# Altium PCB Bluetooth_Sentinel.PcbDoc
Units mm, origin at the board's own origin, x right, y up, seen from the top; angles counter-clockwise.
Board outline 80 x 55 mm, 4 copper layers (Top Layer, Mid-Layer 1, Mid-Layer 2, Bottom Layer), stack 0.796 mm thick; 73 components, 57 nets, 225 pads, 173 vias.
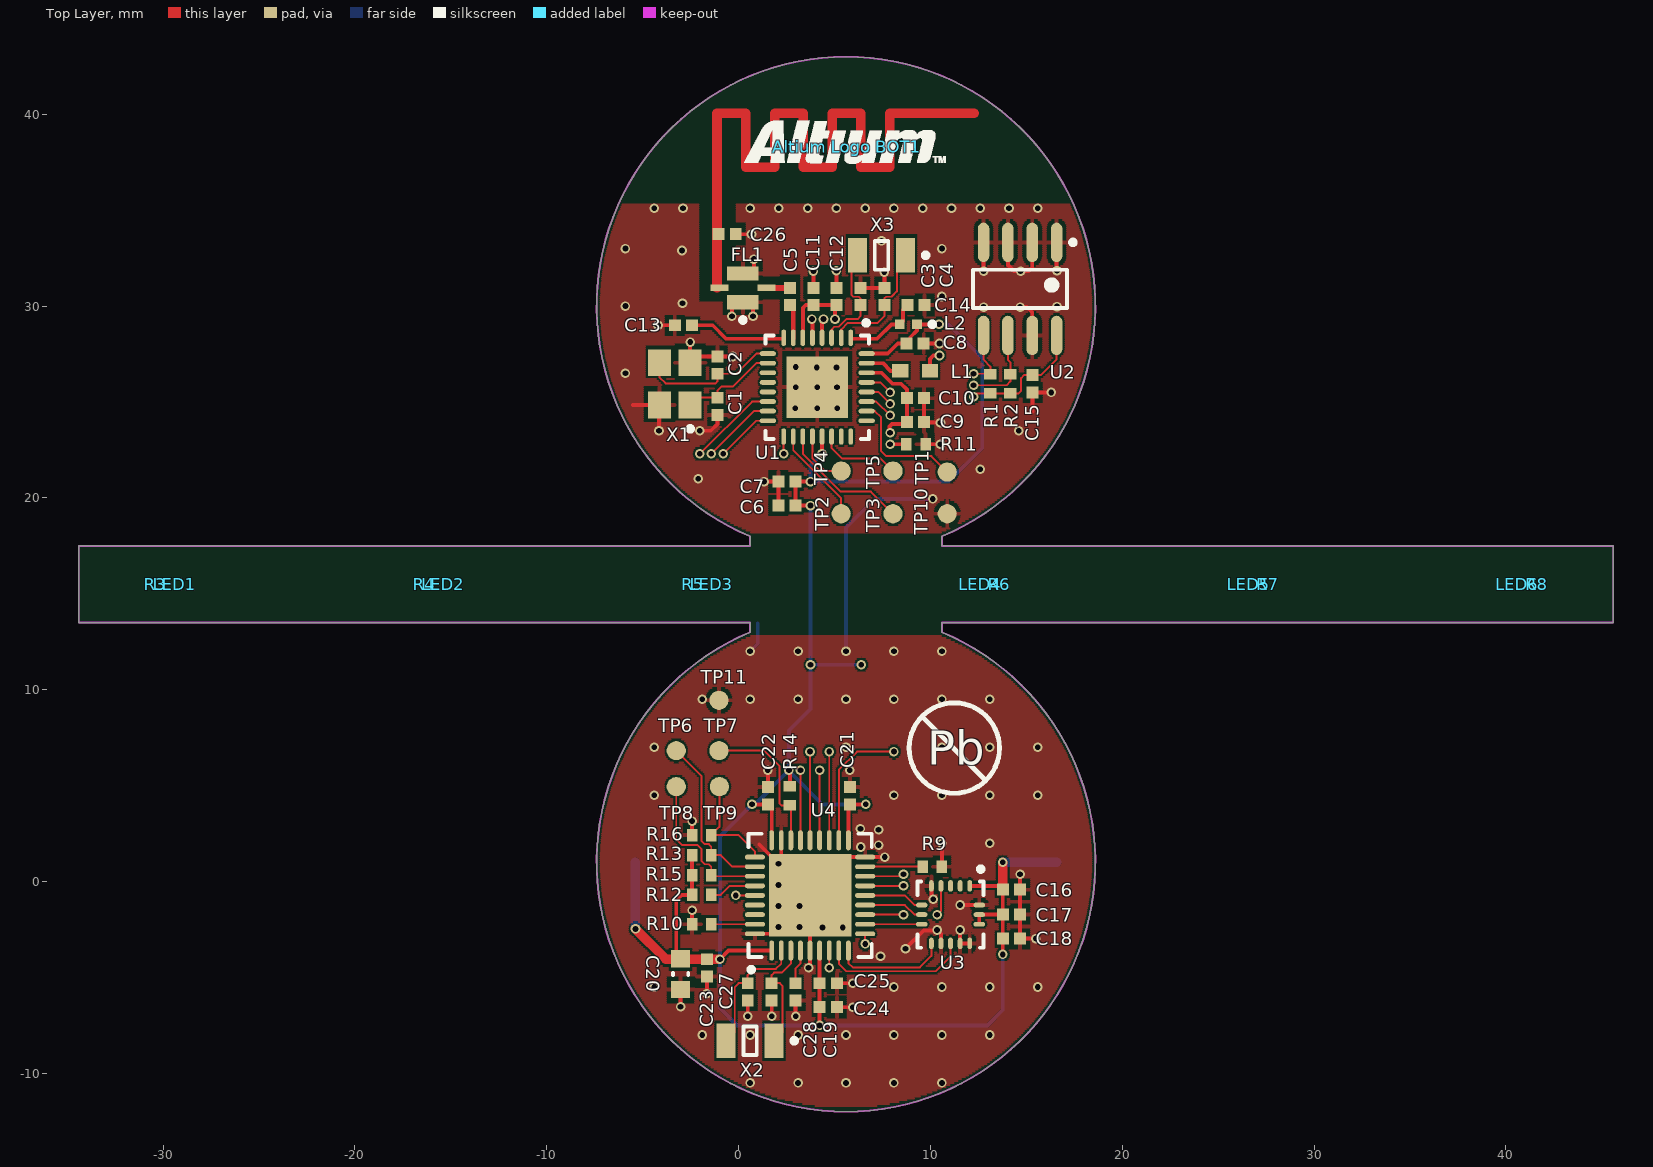
[diagram p0: Top Layer view]
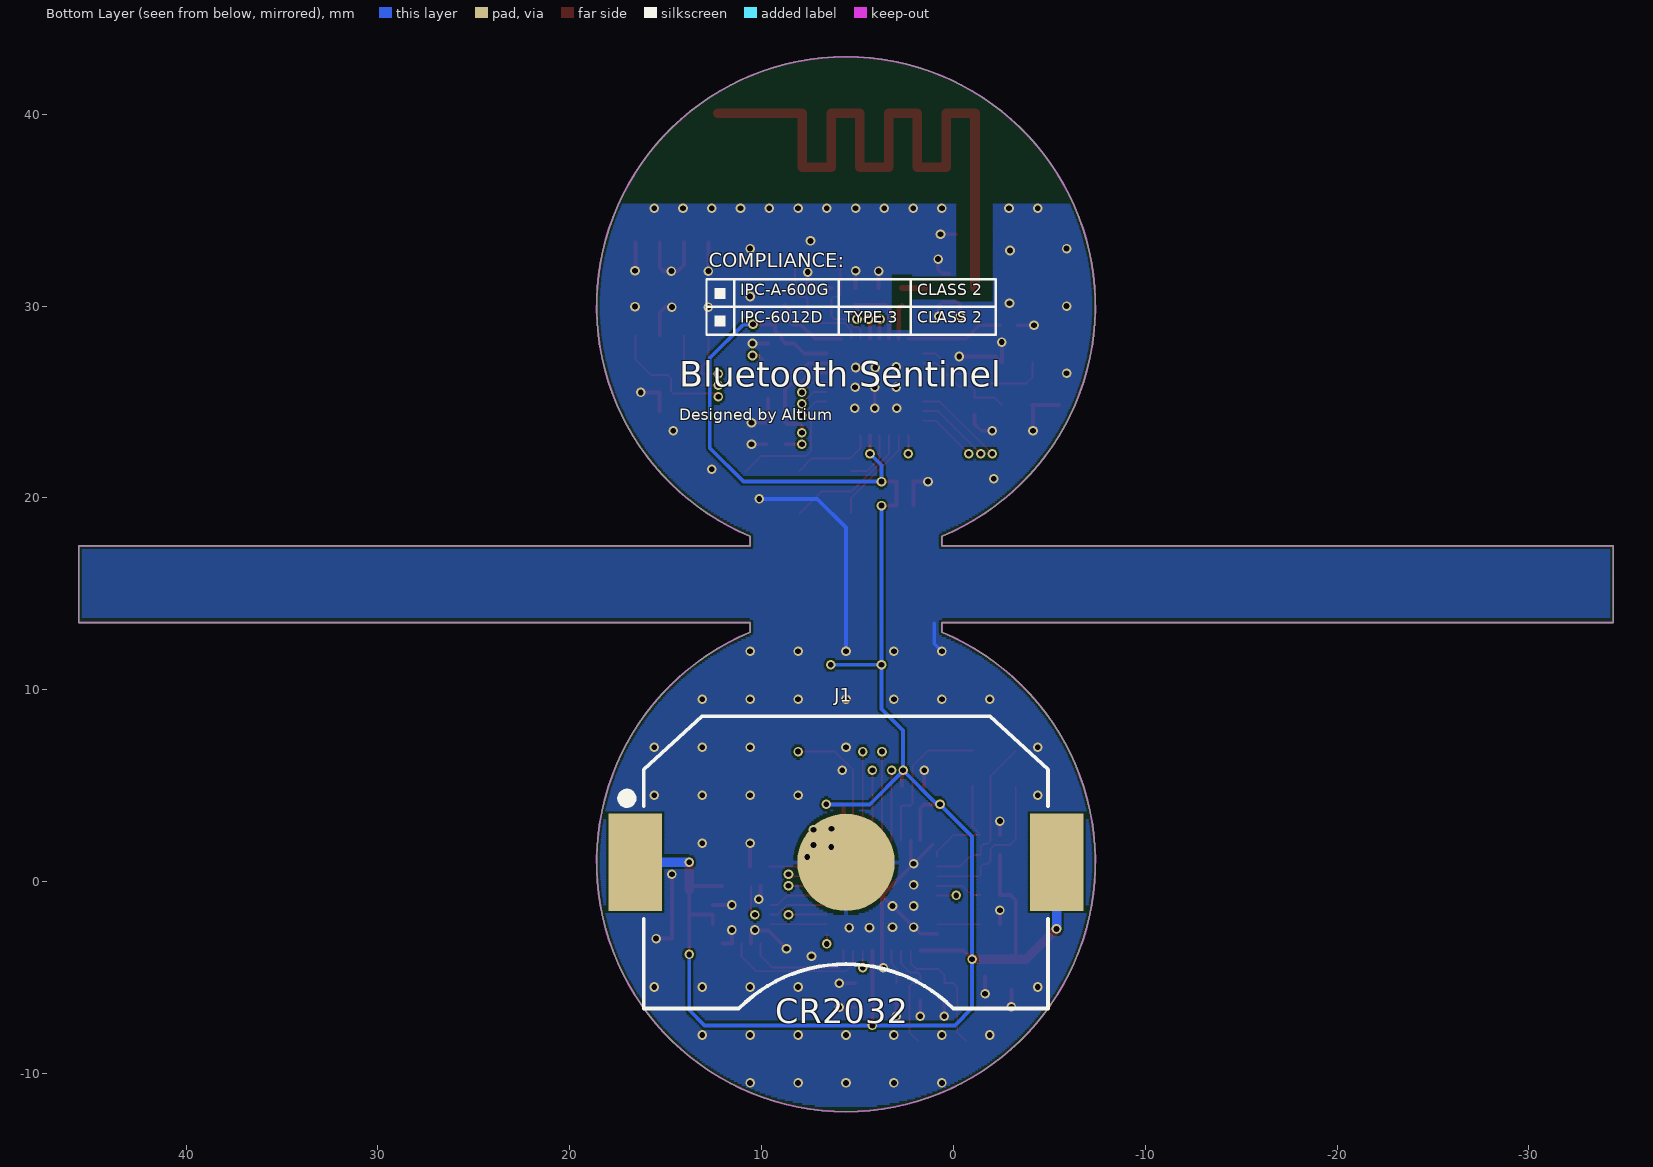
[diagram p1: Bottom Layer view, seen from below]
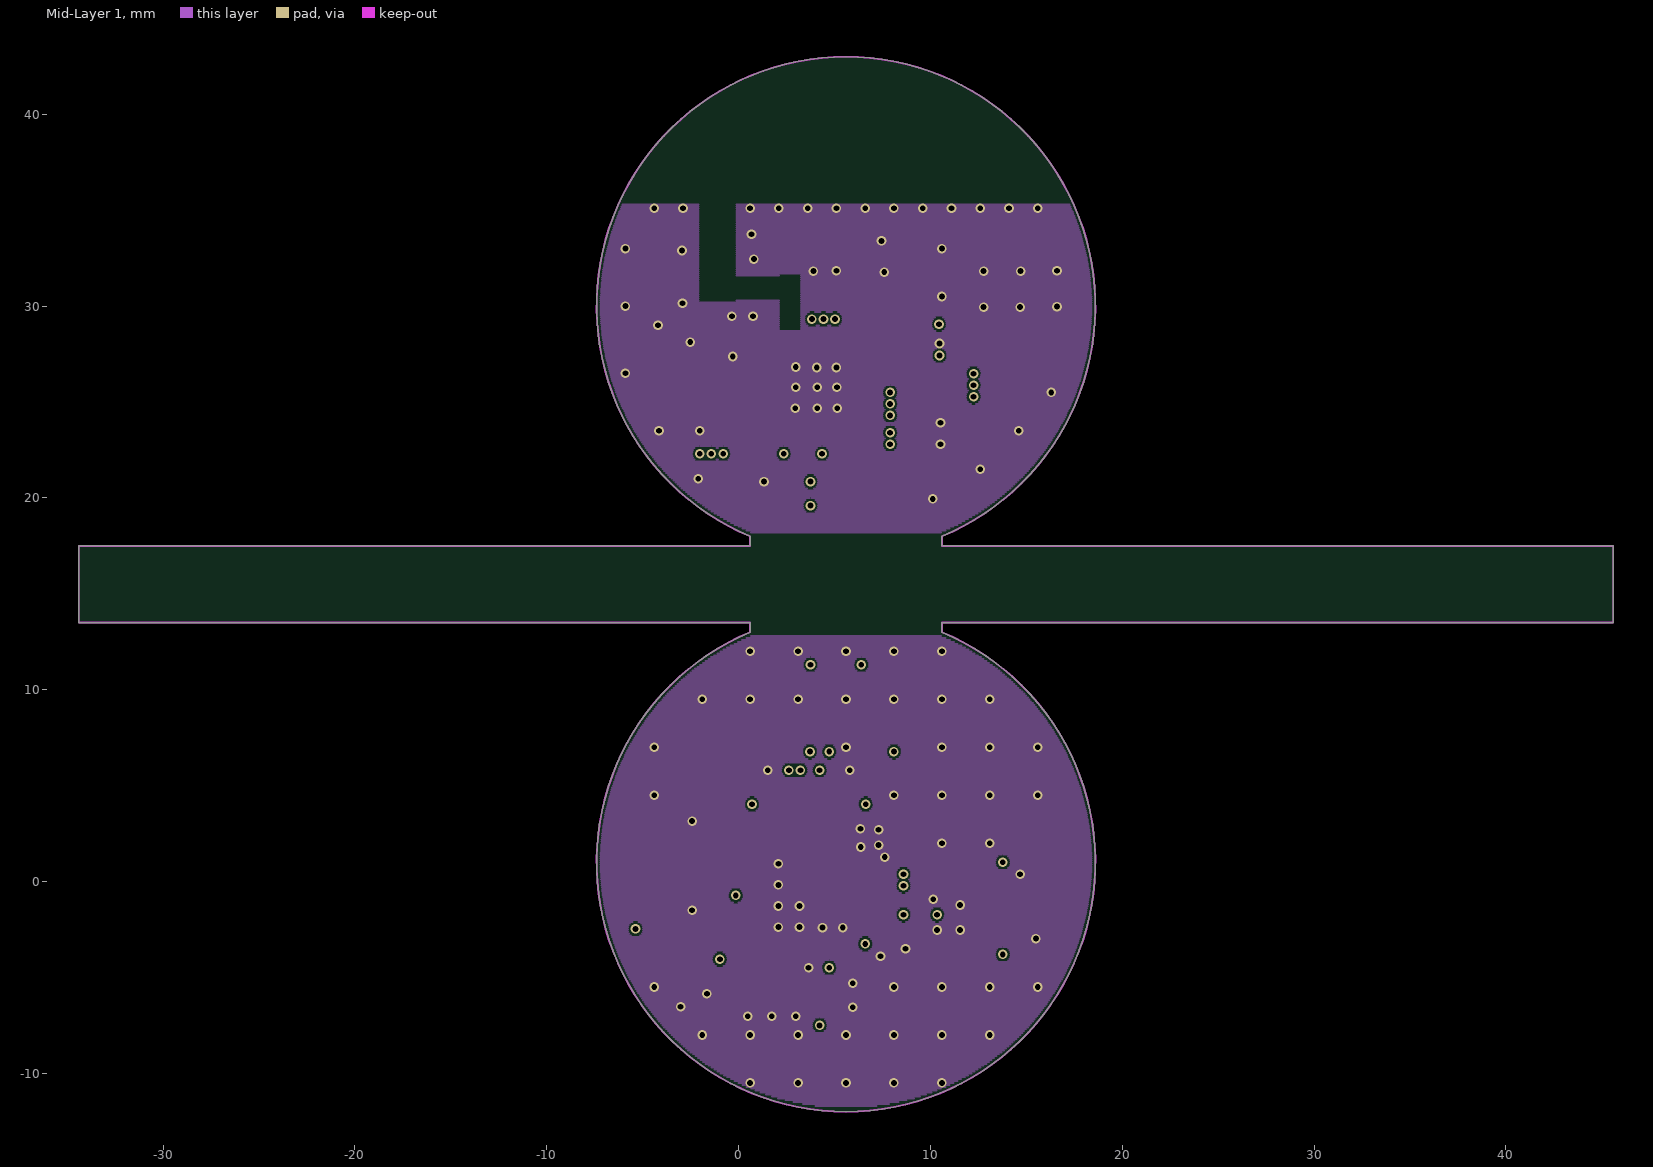
[diagram p2: Mid-Layer 1]
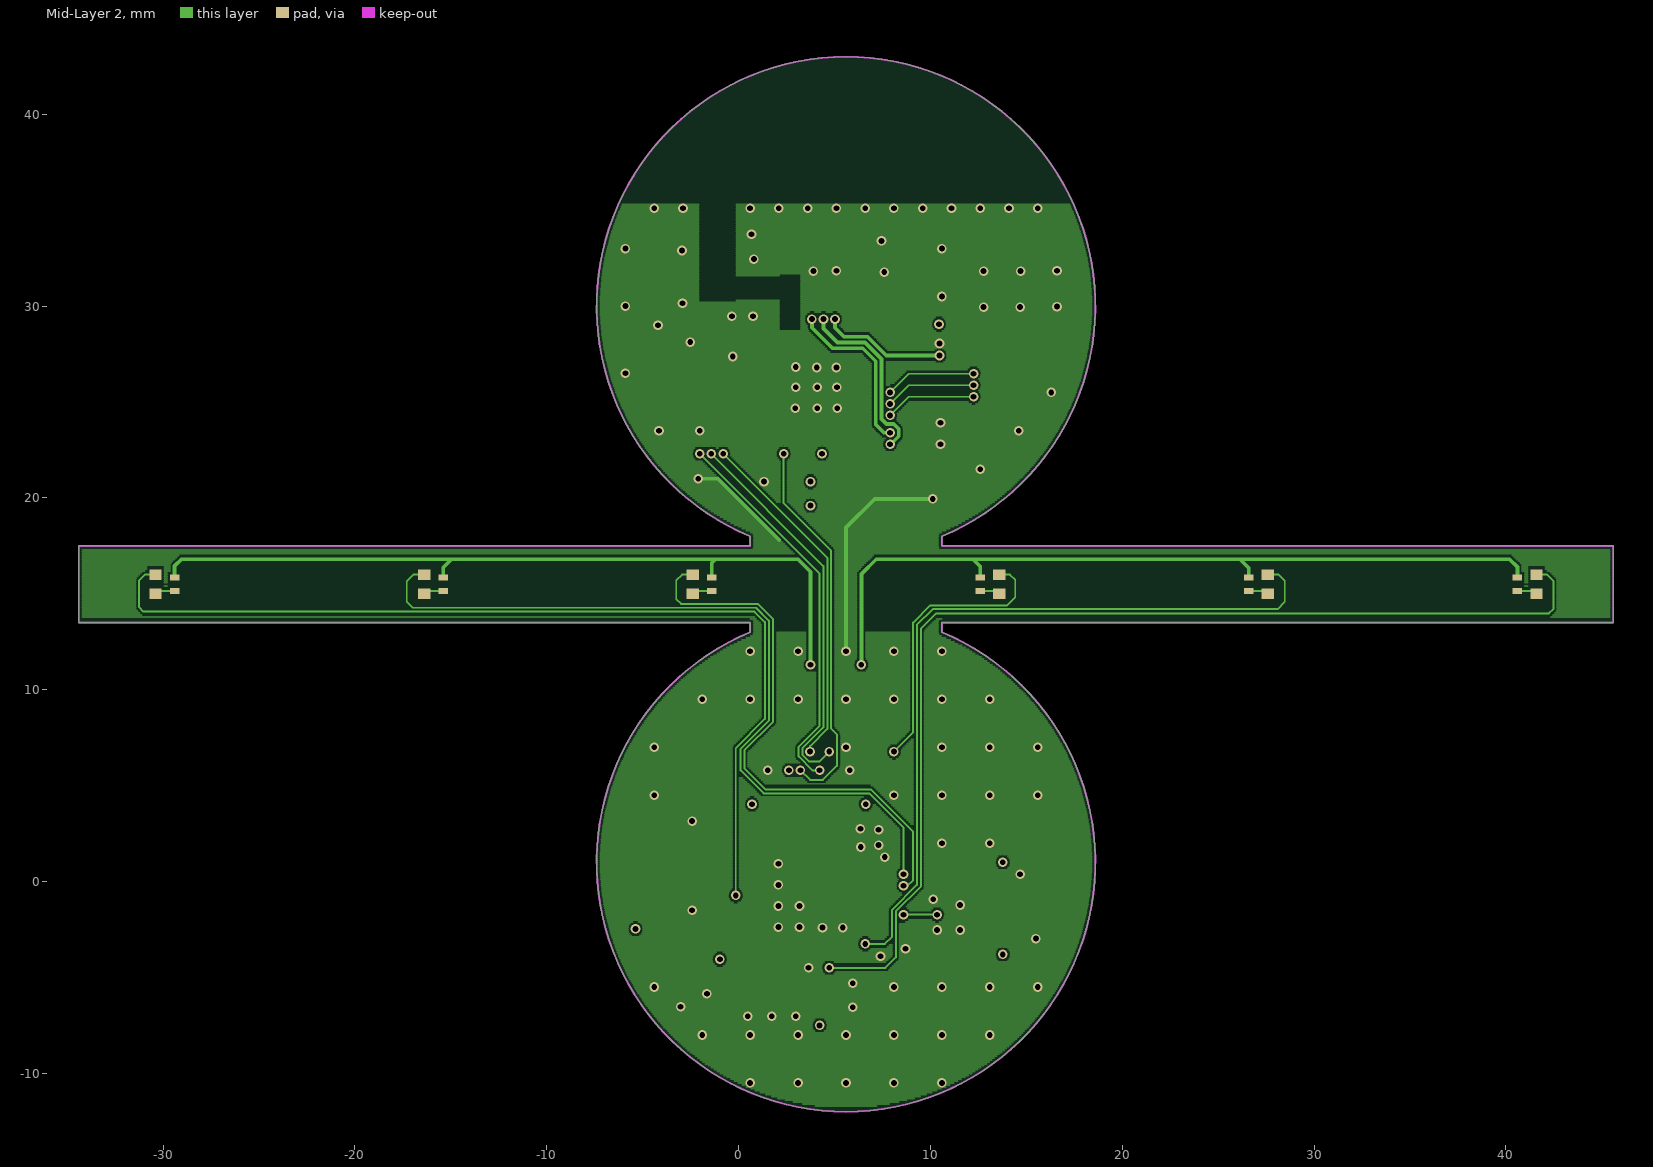
[diagram p3: Mid-Layer 2]

## Layer stack, top to bottom
Top Solder: solder mask 0.01, Solder Resist, Dk 3.5
Top Layer: signal copper 0.036
Dielectric 1: dielectric 0.32, FR-4, Dk 4.8
Mid-Layer 1: signal copper 0.036
Dielectric 2: dielectric 0.32, FR-4, Dk 4.8
Mid-Layer 2: signal copper 0.036
Dielectric 3: dielectric 0.0125, Polyamide, Dk 4.8
Bottom Layer: signal copper 0.036
Bottom Solder: solder mask 0.01, Solder Resist, Dk 3.5

## Board outline
-34.4,13.5 0.6,13.5 0.6,13 ccw(c5.6,1) 10.6,13 10.6,13.5 45.6,13.5 45.6,17.5 10.6,17.5 10.6,18 ccw(c5.6,30) 0.6,18 0.6,17.5 -34.4,17.5
board region "Layer Stack Region 2": 0.6,18 0.101,18.207 -0.906,18.731 -1.864,19.341 -2.764,20.032 -3.601,20.799 -4.368,21.636 -5.059,22.536 -5.669,23.494 -6.193,24.501 -6.628,25.55 -6.969,26.632 -7.215,27.74 -7.363,28.866 -7.412,30 -7.363,31.134 -7.215,32.26 -6.969,33.368 -6.628,34.451 -6.193,35.499 -5.669,36.506 -5.059,37.464 -4.368,38.364 -3.601,39.201 -2.764,39.968 -1.864,40.659 -0.906,41.269 0.101,41.793 1.15,42.228 2.232,42.569 3.34,42.815 4.466,42.963 5.6,43.012 6.734,42.963 7.86,42.815 8.968,42.569 10.051,42.228 11.099,41.793 12.106,41.269 13.064,40.659 13.964,39.968 14.801,39.201 15.568,38.364 16.259,37.464 16.869,36.506 17.393,35.499 17.828,34.451 18.169,33.368 18.415,32.26 18.563,31.134 18.612,30 18.563,28.866 18.415,27.74 18.169,26.632 17.828,25.55 17.393,24.501 16.869,23.494 16.259,22.536 15.568,21.636 14.801,20.799 13.964,20.032 13.064,19.341 12.106,18.731 11.099,18.207 10.6,18
board region "Layer Stack Region 3": 10.6,18 10.6,17.5 45.6,17.5 45.6,13.5 10.6,13.5 10.6,13 0.597,12.999 0.6,13 0.6,13.5 -34.4,13.5 -34.4,17.5 0.6,17.5 0.6,18
board region "Layer Stack Region 1": 10.6,13 11.099,12.793 12.106,12.269 13.064,11.659 13.964,10.968 14.801,10.201 15.568,9.364 16.259,8.464 16.869,7.506 17.393,6.499 17.828,5.451 18.169,4.368 18.415,3.26 18.563,2.134 18.612,1 18.563,-0.134 18.415,-1.26 18.169,-2.368 17.828,-3.451 17.393,-4.499 16.869,-5.506 16.259,-6.464 15.568,-7.364 14.801,-8.201 13.964,-8.968 13.064,-9.659 12.106,-10.269 11.099,-10.793 10.051,-11.228 8.968,-11.569 7.86,-11.815 6.734,-11.963 5.6,-12.012 4.466,-11.963 3.34,-11.815 2.232,-11.569 1.15,-11.228 0.101,-10.793 -0.906,-10.269 -1.864,-9.659 -2.764,-8.968 -3.601,-8.201 -4.368,-7.364 -5.059,-6.464 -5.669,-5.506 -6.193,-4.499 -6.628,-3.451 -6.969,-2.368 -7.215,-1.26 -7.363,-0.134 -7.412,1 -7.363,2.134 -7.215,3.26 -6.969,4.368 -6.628,5.451 -6.193,6.499 -5.669,7.506 -5.059,8.464 -4.368,9.364 -3.601,10.201 -2.764,10.968 -1.864,11.659 -0.906,12.269 0.101,12.793 0.597,12.999

## Design rules (kind name [scope] priority, off if disabled: settings)
Clearance [All] p1: gap=0.1
ComponentClearance [All] p1: gap=0.2 collisioncheckmode=3 verticalgap=0.2 showdistances=FALSE
HoleToHoleClearance [All] p1: gap=0.1 allowstackedmicrovias=TRUE
MinimumSolderMaskSliver [All] p1: minsoldermaskwidth=0.1
NetAntennae [All] p1: netantennaetolerance=30
PolygonConnect PolygonConnect_PCBModule [InComponentClass('PCBModule')] p1: connectstyle=Direct reliefconductorwidth=0.254 reliefentries=4 polygonreliefangle="90 Angle" airgapwidth=0.254
PolygonConnect PolygonConnect_VIA [IsVia] p2: connectstyle=Direct reliefconductorwidth=0.254 reliefentries=4 polygonreliefangle="90 Angle" airgapwidth=0.254
PolygonConnect [All] p3: connectstyle=Relief reliefconductorwidth=0.2 reliefentries=4 polygonreliefangle="90 Angle" airgapwidth=0.2
RoutingVias [All] p1: holewidth=0.3 width=0.5 viastyle="Through Hole" minholewidth=0.3 minwidth=0.5 maxholewidth=0.3 maxwidth=0.5
SilkToSilkClearance SilkToSilkClearance_1 [(ObjectKind = 'Text') And (StringText = 'Designed & Made in China') vs (ObjectKind = 'Text') And (StringText = 'Digital Designer Board')] p1: silktosilkclearance=0
SilkToSilkClearance [All] p2: silktosilkclearance=0
SilkToSolderMaskClearance [IsPad] p1: minsilkscreentomaskgap=0.1 clearancetoexposedcopper=TRUE
SolderMaskExpansion [All] p1: expansion=0
Width [All] p1: maxlimit=0.5 minlimit=0.1 preferedwidth=0.1 minimp=50.000000 maximp=50.000000 favimp=50.000000
23 further rules are at their usual default settings.

## Classes and differential pairs
component class LC_Filter: C5 C26 FL1
component class BT_ANTMATCH: C5 C26
component class Programmer: TP1 TP2 TP3 TP4 TP5 TP10
component class Microcontroller_STM32F101: C19 C20 C21 C22 C23 C24 C25 R9 R10 R12 R13 R14 R15 R16 U4
component class Accelerometer: C16 C17 C18 U3
component class Red_LED6: LED6 R8 R10_U_LED6
component class Red_LED5: LED5 R7 R10_U_LED5
component class Red_LED4: LED4 R6 R10_U_LED4
component class Red_LED3: LED3 R5 R10_U_LED3
component class Red_LED2: LED2 R4 R10_U_LED2
component class Red_LED1: LED1 R3 R10_U_LED1
component class U_JTAG_TP: TP6 TP8 TP9
component class BT_RF_FILTER: FL1
component class BLUETOOTH: C6 C7 C8 C9 C10 C11 C12 C13 C14 L1 L2 R11 U1
component class "U_BT_1V8TX TO 3VTX2": "Q1_U_BT_1V8TX TO 3VTX2"
component class "U_BT_1V8TX TO 3VTX1": "Q1_U_BT_1V8TX TO 3VTX1"
component class EEPROM: C15 "Q1_U_BT_1V8RX TO 3VRX2" R1 R2 U2
component class Programmer: "Q1_U_BT_1V8RX TO 3VRX1" TP6 TP7 TP8 TP9 TP11
component class Power: J1
component class Q2: C3 C4 X3
component class 16MHz_Clock: C1 C2 X1
component class Q1: C27 C28 X2
component class "BOOT MODE": R9 R10
channel class Oscillator_32_768KHz: Q1 Q2
channel class Red_LED: Red_LED1 Red_LED2 Red_LED3 Red_LED4 Red_LED5 Red_LED6

## Components (designator, comment, footprint, x,y, rotation, side; value= is the part's Value field where it differs from the comment)
"Altium Logo BOT1" "Altium(2009)" LOGO-ALTIUM-NEW 5.65,38.3 r0 top
C1 "CAP 20pF 10V 0402(1005)" CAPC0402(1005)60_N -1.1,24.775 r270 top
C2 "CAP 20pF 10V 0402(1005)" CAPC0402(1005)60_N -1.1,26.925 r90 top
C3 "CAP 24pF 10V 0402(1005)" CAPC0402(1005)60_N 6.35,30.5 r270 top
C4 "CAP 24pF 10V 0402(1005)" CAPC0402(1005)60_N 7.6,30.5 r270 top
C5 "CAP 22pF 16V 0402(1005)" CAPC0402(1005)60_N 2.675,30.5 r90 top (schematic designator C14)
C6 "CAP 2.2uF 6.3V 0402(1005)" CAPC0402(1005)60_N 2.525,19.6 r0 top (schematic designator C5)
C7 "CAP 100nF 6.3V 0402(1005)" CAPC0402(1005)60_N 2.525,20.85 r0 top (schematic designator C6)
C8 "CAP 100nF 6.3V 0402(1005)" CAPC0402(1005)60_N 9.2,28.05 r180 top (schematic designator C7)
C9 "CAP 470nF 6.3V 0402(1005)" CAPC0402(1005)60_N 9.225,23.95 r180 top (schematic designator C8)
C10 "CAP 100nF 6.3V 0402(1005)" CAPC0402(1005)60_N 9.225,25.2 r180 top (schematic designator C9)
C11 "CAP 2.2uF 6.3V 0402(1005)" CAPC0402(1005)60_N 3.9,30.5 r270 top (schematic designator C10)
C12 "CAP 470nF 6.3V 0402(1005)" CAPC0402(1005)60_N 5.1,30.5 r270 top (schematic designator C11)
C13 "CAP 470nF 6.3V 0402(1005)" CAPC0402(1005)60_N -2.875,29 r0 top (schematic designator C12)
C14 "CAP 33pF 10V 0402(1005)" CAPC0402(1005)60_N 9.25,30.05 r180 top (schematic designator C13)
C15 "CAP 1uF 6.3V 0402(1005)" CAPC0402(1005)60_N 15.325,25.95 r90 top (schematic designator C22)
C16 "CAP 100nF 16V 0402(1005)" CAPC0402(1005)60_N 14.225,-0.425 r0 top (schematic designator C27)
C17 "CAP 100nF 16V 0402(1005)" CAPC0402(1005)60_N 14.225,-1.725 r180 top (schematic designator C28)
C18 "CAP 1uF 16V 0402(1005)" CAPC0402(1005)60_N 14.225,-2.975 r0 top (schematic designator C29)
C19 "CAP 100nF 6.3V 0402(1005)" CAPC0402(1005)60_N 2.975,-5.75 r270 top (schematic designator C15)
C20 "CAP 10uF 10V 0603(1608)" CAPC0603(1608)100_N -3.025,-4.825 r90 top (schematic designator C16)
C21 "CAP 100nF 6.3V 0402(1005)" CAPC0402(1005)60_N 5.8,4.475 r270 top (schematic designator C17)
C22 "CAP 100nF 6.3V 0402(1005)" CAPC0402(1005)60_N 1.525,4.475 r270 top (schematic designator C18)
C23 "CAP 100nF 6.3V 0402(1005)" CAPC0402(1005)60_N -1.65,-4.5 r90 top (schematic designator C19)
C24 "CAP 1uF 6.3V 0402(1005)" CAPC0402(1005)60_N 4.675,-6.55 r180 top (schematic designator C20)
C25 "CAP 100nF 6.3V 0402(1005)" CAPC0402(1005)60_N 4.675,-5.3 r180 top (schematic designator C21)
C26 "CAP 1.5pF 10V 0402(1005)" CAPC0402(1005)60_N -0.6,33.75 r180 top
C27 "CAP 24pF 10V 0402(1005)" CAPC0402(1005)60_N 0.475,-5.75 r90 top (schematic designator C3)
C28 "CAP 24pF 10V 0402(1005)" CAPC0402(1005)60_N 1.725,-5.75 r90 top (schematic designator C4)
FL1 "LFB212G45SG8A143" MUR-LFB212G45SG8A143-4 0.225,30.95 r180 top
J1 "BK-912-TR" MPD-CN-DIN-3_V 5.6,1 r180 bottom
L1 "7447966" SMD-0603 9.2,26.625 r0 top
L2 "MMZ1005Y152CT" TDK-CHIP-2_V 8.85,29.05 r180 top
LED1 "LNJ247W82RA" PNSC-CHIP-2_V -29.4,15.5 r90 top
LED2 "LNJ247W82RA" PNSC-CHIP-2_V -15.4,15.5 r90 top (schematic designator LED1)
LED3 "LNJ247W82RA" PNSC-CHIP-2_V -1.4,15.5 r90 top (schematic designator LED1)
LED4 "LNJ247W82RA" PNSC-CHIP-2_V 12.6,15.5 r90 top (schematic designator LED1)
LED5 "LNJ247W82RA" PNSC-CHIP-2_V 26.6,15.5 r90 top (schematic designator LED1)
LED6 "LNJ247W82RA" PNSC-CHIP-2_V 40.6,15.5 r90 top (schematic designator LED1)
R1 "4K7 5% 0402(1005)" RESC0402(1005)_N#1 13.125,25.95 r270 top (schematic designator R9)
R2 "4K7 5% 0402(1005)" RESC0402(1005)_N#1 14.175,25.95 r270 top (schematic designator R10)
R3 "200R 5% 0402(1005)" RESC0402(1005)_N#2 -30.4,15.5 r270 top (schematic designator R1)
R4 "200R 5% 0402(1005)" RESC0402(1005)_N#2 -16.4,15.5 r270 top (schematic designator R1)
R5 "200R 5% 0402(1005)" RESC0402(1005)_N#2 -2.4,15.5 r270 top (schematic designator R1)
R6 "200R 5% 0402(1005)" RESC0402(1005)_N#2 13.6,15.5 r270 top (schematic designator R1)
R7 "200R 5% 0402(1005)" RESC0402(1005)_N#2 27.6,15.5 r270 top (schematic designator R1)
R8 "200R 5% 0402(1005)" RESC0402(1005)_N#2 41.6,15.5 r270 top (schematic designator R1)
R9 "10K 5% 0402(1005)" RESC0402(1005)_N#1 10.1,0.775 r0 top
R10 "10K 5% 0402(1005)" RESC0402(1005)_N#1 -1.925,-2.225 r180 top
R11 "Jumper 0402(1005)" RESC0402(1005)_N#1 9.25,22.8 r0 top (schematic designator R16)
R12 "10K 5% 0402(1005)" RESC0402(1005)_N#1 -1.925,-0.7 r180 top (schematic designator R11)
R13 "10K 5% 0402(1005)" RESC0402(1005)_N#1 -1.925,1.375 r180 top (schematic designator R12)
R14 "10K 5% 0402(1005)" RESC0402(1005)_N#1 2.675,4.475 r90 top (schematic designator R13)
R15 "10K 5% 0402(1005)" RESC0402(1005)_N#1 -1.925,0.325 r180 top (schematic designator R14)
R16 "10K 5% 0402(1005)" RESC0402(1005)_N#1 -1.925,2.425 r0 top (schematic designator R15)
TP1 "TP-SM-C-100" TP-SM-C-100 10.875,21.35 r90 top (schematic designator TP5)
TP2 "TP-SM-C-100" TP-SM-C-100 5.35,19.175 r90 top (schematic designator TP6)
TP3 "TP-SM-C-100" TP-SM-C-100 8.05,19.175 r90 top (schematic designator TP7)
TP4 "TP-SM-C-100" TP-SM-C-100 5.35,21.4 r90 top (schematic designator TP8)
TP5 "TP-SM-C-100" TP-SM-C-100 8.05,21.4 r90 top (schematic designator TP9)
TP6 "TP-SM-C-100" TP-SM-C-100 -3.25,6.825 r0 top (schematic designator TP1)
TP7 "TP-SM-C-100" TP-SM-C-100 -1.025,6.825 r90 top (schematic designator TP2)
TP8 "TP-SM-C-100" TP-SM-C-100 -3.25,4.95 r90 top (schematic designator TP3)
TP9 "TP-SM-C-100" TP-SM-C-100 -1,4.95 r90 top (schematic designator TP4)
TP10 "TP-SM-C-100" TP-SM-C-100 10.875,19.175 r90 top
TP11 "TP-SM-C-100" TP-SM-C-100 -1.025,9.45 r90 top
U1 "CSR1010A05-IQQM-R" CSR-CSR1010A05-IQQM-R-QFN32_M 4.1,25.775 r270 top (schematic designator U4)
U2 "24AA512-I/SN" MCHP-SOIC-SN8_N 14.675,30.9 r270 top (schematic designator U3)
U3 "LIS331DLTR" LGA16-3X3X1_L 11.05,-1.725 r270 top (schematic designator U1)
U4 "STM32F101T6U6A" VFQFPN36_N 3.725,-0.725 r90 top (schematic designator U2)
X1 "21C00047-16.000MHz" ITTI-21C00047-16.000MHz-4_V -3.325,25.95 r90 top
X2 "14340272-32.768KHz" ITTI-14340272-32.768KHz-2_V 0.6,-8.3 r180 top
X3 "14340272-32.768KHz" ITTI-14340272-32.768KHz-2_V 7.45,32.65 r180 top (schematic designator X2)
